# KiCad board poly_kb_wave_left.kicad_pcb (continued)
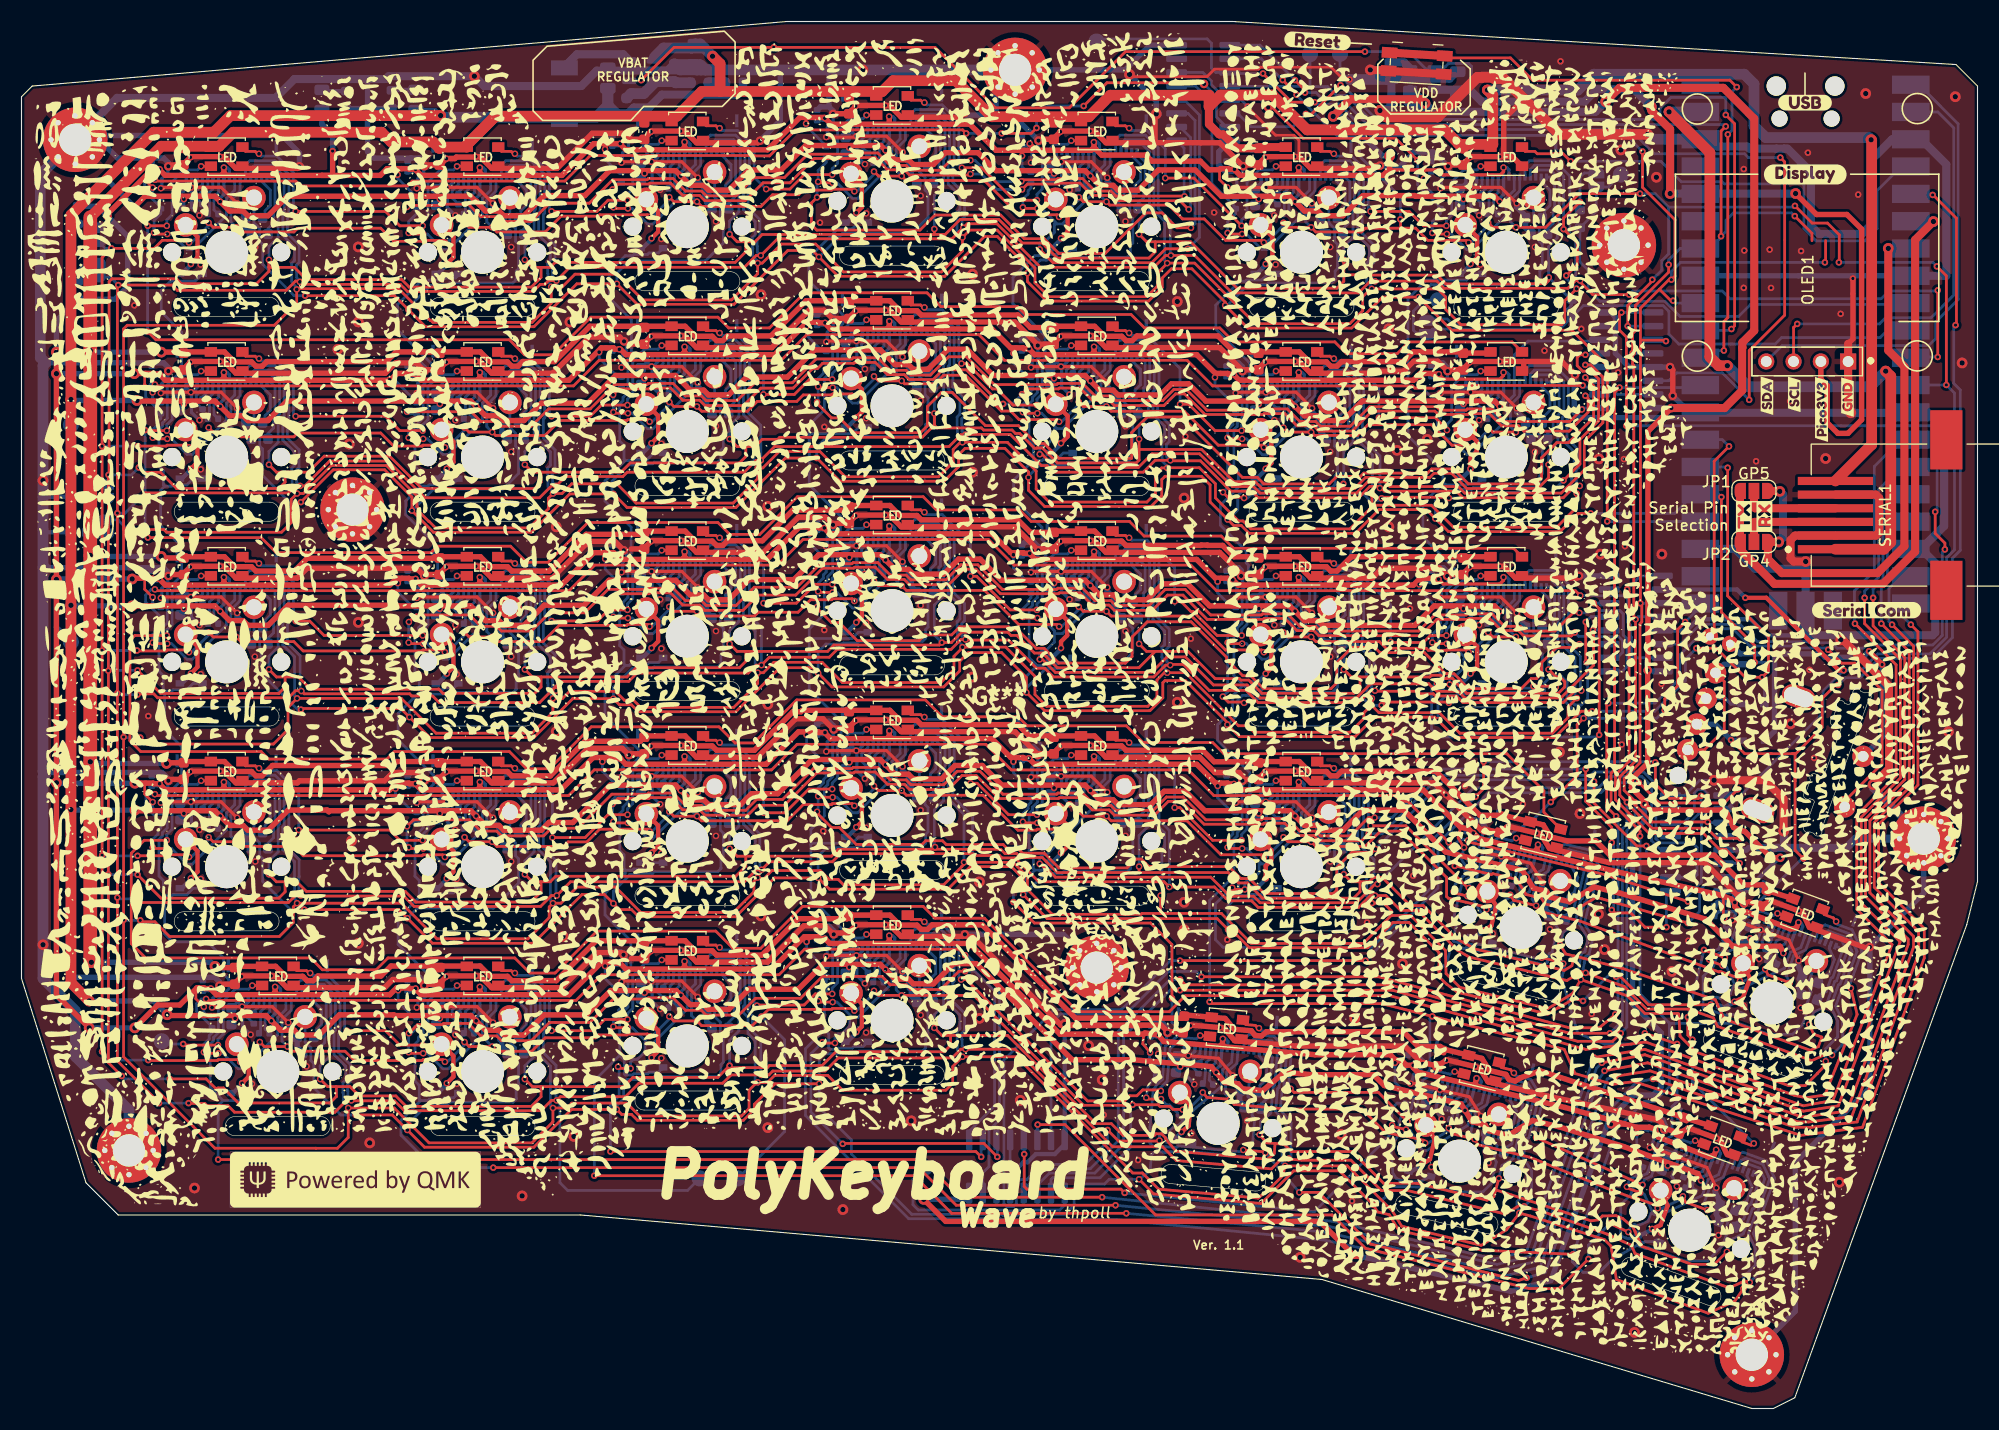
[diagram p0: board, top side]
## Routing (per net, layer and track width the routed paths; a pad name or vN(x,y) marks a point on that pad's centre or on a via; arc(x,y) is an arc through that point) (continued)
RUN: length 60.1
  Top w0.254: v4(158.77,118.5) 158.77,101.47 158.4,101.1 v4(158.4,98.4) ; 132.49,125.62 138.54,125.62 140.61,123.55 158.95,123.55 v4(159.6,122.9)
  Top w0.75: 132.48,125.79 127.24,126.11
  Bottom w0.254: U1.30 157.78,98.4 v4(158.4,98.4) ; v4(158.77,118.5) 159.16,118.89 159.16,122.46 v4(159.6,122.9)
SCLK: length 1505.4
  Top w0.25: v3(144.7,85.1) 144.7,83.81 144.65,83.76 ; 94.3,66.4 94.3,68.1 91.59,70.81 v3(87.55,70.81) 87.55,70.76 86.76,69.97 86.76,68.74 ; 9.5,83.25 9.5,81.75 v4(9.88,81.75) 13.25,81.75 ; 86.69,88.01 86.69,89.19 87.36,89.86 v3(87.55,89.86) 91.74,89.86 94.41,87.19 94.41,85.52 ; 57.1,84.3 55.4,86 51.2,86 50.3,85.1 v3(49.45,85.1) ; v3(125.65,85.1) 125.65,83.81 125.6,83.76 ; 93.9,31.4 92.59,32.71 v3(87.55,32.71) 86.65,31.81 86.65,30.25 ; 47.7,24.9 47.5,24.71 37.92,24.71 34.67,27.95 v3(30.4,27.95) 30.4,27 ; 76.25,87.05 74.3,89 70.5,89 68.98,87.48 v3(68.5,87.48) 68.5,86.49 67.75,85.75 ; 132.52,102.22 132.52,103.38 131.77,104.13 v3(125.64,104.13) 125.53,104.13 124.8,103.4 124.8,102.31 ; 144.34,38.61 v3(145.09,39.9) 149.41,38.38 151.05,36.74 154.08,36.74 154.2,36.7 154.32,34.63 ; v3(139.38,18.18) 138.18,16.62 ; 110.64,105.05 109.16,106.53 v3(106.6,106.53) 106.6,106.51 105.7,105.6 105.7,104.4 ; 49.4,26.61 49.45,26.66 v3(49.45,27.95) 50.75,27.95 51.2,28.4 53.2,28.4 ; 112.92,63.82 108.31,68.43 v3(106.6,68.43) 106.33,68.43 105.65,67.75 105.65,66.15 ; 105.5,85.1 105.5,85.1 105.5,86.9 106.08,87.48 v3(106.6,87.48) 106.62,87.5 109.6,87.5 111.09,86.01 111.09,84.7 112.42,83.37 ; v3(68.5,30.33) 68.43,30.33 67.7,29.6 67.7,27.9 ; v3(117.57,22.57) 123.36,22.57 127.54,18.4 ; 126.31,64.71 125.65,65.37 v3(125.65,66.05) ; 67.73,104.77 68.5,105.54 v3(68.5,106.53) 68.93,106.53 70.7,108.3 73.9,108.3 75.7,106.5 ; v3(25.64,47) 35.34,47 38.12,44.22 ; 56.31,104.61 55.42,105.5 51.5,105.5 50.31,104.32 v3(49.29,104.32) 49.29,102.79 48.7,102.2 ; 67.93,66.87 68.5,67.44 v3(68.5,68.43) 69.03,68.43 70,69.4 74.5,69.4 ; 50.4,66.1 50.35,66.05 v3(49.45,66.05) 49.45,64.76 49.4,64.71 ; 95.9,45.96 93.6,48.27 93.6,49.47 92.27,50.8 v3(87.7,50.8) 87.7,50.62 87.5,50.42 ; v3(144.7,104.15) 143.6,103.05 143.6,101.1 143.3,100.81 143.3,100.8 ; 38.1,101.2 38.03,101.2 35.08,104.15 25.67,104.15 v3(25.61,104.09) 25.61,102.83 23.53,100.75 9.83,100.75 9.5,100.42 v4(9.5,62.45) v4(9.5,45.45) 9.5,32.71 15.99,26.22 ; v3(167.88,32.29) 167.69,31.76 ; 129.45,45.65 132.5,42.6
  Top w0.254: 167.69,31.76 167.09,31.17 167.09,31.16 165.97,30.03 164.67,30.03 164.42,30.03 155.8,33.16 155.79,33.16 154.32,34.63 ; 127.45,45.85 127.45,46.3 126.75,47 v4(125.65,47) ; 127.45,45.85 124.85,43.26 114.43,43.26 111.64,46.05 106.54,46.05 ; 127.45,45.85 129.25,45.85 129.45,45.65 ; 132.5,42.6 132.55,40.45 133.82,39.18 142.01,37.19 144.34,38.61 ; 138.18,16.62 135.82,15.18 128.42,16.96 127.54,18.4 ; 112.92,63.82 113.24,63.5 114.09,63.5 114.69,62.9 123.62,62.9 124.9,64.18 124.9,64.7 125.65,65.46 v3(125.65,66.05) ; v3(106,47.7) 106,46.05 106.54,46.05 ; 30.4,27 30.4,25.21 29.4,24.2 27.4,24.2 27.4,24.21 18,24.21 15.99,26.22 ; 56.31,104.61 57.81,103.11 66.07,103.11 67.73,104.77 ; v3(49.45,85.1) 49.02,84.67 49.02,83.68 47.25,81.91 38.53,81.91 37.92,82.52 37.88,82.52 36.92,83.48 36.92,83.75 36.79,83.87 36.79,84.88 33.97,87.71 28.83,87.71 26.22,85.1 v3(25.64,85.1) 25.1,84.56 25.1,82.4 24.2,81.5 13.5,81.5 13.25,81.75 ; 105.7,104.4 104.7,103.41 95.59,103.41 94.3,104.7 94.3,106.08 90.78,109.6 88.24,109.6 v3(87.55,108.91) 87.55,107.66 85.6,105.71 76.49,105.71 75.7,106.5 ; 106.54,46.05 104.25,46.05 104.17,45.96 95.9,45.96 ; 105.5,85.1 104.72,84.31 95.62,84.31 94.41,85.52 ; 126.31,64.71 131.93,64.71 133.83,62.81 142.45,62.81 143.9,64.26 143.9,65.25 v3(144.73,66.08) ; v4(145.01,112.23) 143.48,110.7 v4(143.48,109.69) 144.75,108.42 144.75,106.39 v4(143.74,105.37) ; 86.69,88.01 85.34,86.66 76.64,86.66 76.25,87.05 ; 132.52,102.22 133.94,100.8 143.3,100.8 ; 38.12,44.22 38.66,43.68 47.12,43.68 49.1,45.66 49.1,46.65 v3(49.45,47) 50.2,47 51.7,48.5 55.27,48.5 57.63,46.14 66.25,46.14 68.15,48.04 68.15,49.03 v3(68.5,49.38) 68.58,49.3 69.1,49.3 69.83,50.03 74.32,50.03 75.14,49.21 75.99,49.21 76.49,48.71 85.8,48.71 87.5,50.41 87.5,50.42 ; 74.5,69.4 76.38,67.52 85.55,67.52 86.76,68.74 ; 93.9,31.4 103.4,21.9 104.3,21.9 105.8,20.4 115.06,19.57 115.1,19.6 116.21,20.51 117.36,21.66 v3(117.57,22.57) ; v3(68.5,30.33) 68.53,30.3 69.4,30.3 70.08,30.98 75.02,30.98 76.4,29.6 86,29.6 86.65,30.25 ; 48.7,102.2 47.52,101.02 38.28,101.02 38.1,101.2 ; 49.4,26.61 49.4,26.61 47.7,24.9 ; 67.75,85.75 66.22,84.21 57.19,84.21 57.1,84.3 ; v4(11.05,62.4) 11.65,61.8 23.45,61.8 24.8,63.15 24.8,65.21 v3(25.64,66.05) 35.34,66.05 38.58,62.81 47.5,62.81 49.4,64.71 49.4,64.71 ; 50.4,66.1 51,66.7 55.27,66.7 56.09,65.88 56.94,65.88 57.61,65.21 66.27,65.21 67.93,66.87 ; 105.65,66.15 104.8,65.31 95.39,65.31 94.3,66.4 ; v4(11.05,45.4) 11.18,45.27 12.4,45.27 13.77,43.9 24,43.9 25.29,45.19 25.29,46.65 v3(25.64,47) ; 67.7,27.9 67,27.21 57.51,27.21 56.32,28.4 53.2,28.4 ; v3(139.38,18.18) 140.4,17.9 147.3,15.7 147.9,15.1 148.4,12 156.95,8.86 159.44,10.02 v3(160.22,11.15) ; 144.65,83.76 142.85,81.96 133.24,81.96 131.19,84.01 125.85,84.01 125.6,83.76 125.56,83.76 123.6,81.81 114.39,81.81 113.65,82.55 113.24,82.55 112.42,83.37 ; 124.8,102.31 124.8,102.1 123.59,100.9 114.79,100.9 110.64,105.05
  Bottom w0.25: 87.12,55.83 87.7,55.26 v3(87.7,50.8) ; v3(167.88,32.29) 167.88,33.47 168.28,33.87 ; 117.3,23.85 117.3,22.85 v3(117.57,22.57)
  Bottom w0.254: v3(139.38,18.18) 139.41,18.34 139.39,18.39 139.16,18.62 139.16,19.24 140.05,20.14 140.05,22 139.25,23.31 139.74,25.37 139.9,25.47 140.65,28.6 140.55,28.75 139.88,29.85 138.23,30.25 137.79,29.98 CONN34.13 ; CONN5.13 102.3,117.63 102.67,118 104.43,118 105.36,117.07 105.36,116.3 105.36,111.41 106.37,110.41 106.37,106.77 v3(106.6,106.53) ; v3(49.45,27.95) 49.22,28.18 49.22,31.82 48.13,32.91 48.13,35.03 48.26,35.16 48.26,38.38 48.13,38.51 48.13,38.51 47.22,39.42 45.52,39.42 45.15,39.05 CONN30.13 ; v3(68.5,30.33) 68.27,30.57 68.27,34.21 67.6,34.87 67.6,36.37 67.18,36.8 67.18,37.41 67.31,37.54 67.31,40.76 67.18,40.89 66.27,41.8 64.57,41.8 64.2,41.43 CONN31.13 ; CONN18.13 83.25,81.92 83.62,82.28 85.32,82.28 86.23,81.37 86.36,81.24 86.36,78.02 86.23,77.89 86.23,75.78 87.32,74.69 87.32,73.44 87.06,73.18 87.06,72.25 87.09,72.21 87.09,71.44 87.55,70.98 v3(87.55,70.81) ; v3(125.65,85.1) 125.7,85.15 125.7,88.69 124.33,90.06 124.33,92.18 124.46,92.31 124.46,95.53 124.33,95.66 124.33,95.66 123.42,96.57 121.72,96.57 121.35,96.2 CONN13.13 ; v3(106.6,87.48) 106.6,87.65 106.14,88.11 106.14,88.88 106.11,88.92 106.11,89.85 106.37,90.11 106.37,91.36 105.28,92.45 105.28,94.56 105.41,94.69 105.41,97.91 105.28,98.04 104.37,98.95 102.67,98.95 102.3,98.58 CONN12.13 ; CONN29.13 26.1,39.05 26.47,39.42 28.17,39.42 29.08,38.51 29.08,38.51 29.21,38.38 29.21,35.16 29.08,35.03 29.08,32.91 30.17,31.82 30.17,30.57 29.91,30.31 29.91,29.38 29.94,29.35 29.94,28.58 30.4,28.12 v3(30.4,27.95) ; CONN2.13 45.15,115.25 45.52,115.62 47.22,115.62 48.13,114.71 48.13,114.71 48.26,114.58 48.26,111.36 48.13,111.23 48.13,109.11 49.22,108.02 49.22,106.77 48.96,106.51 48.96,105.58 48.99,105.55 48.99,104.78 49.45,104.32 ; 168.28,33.87 168.98,34.58 168.98,36.01 168.33,37.41 169.06,39.4 169.22,39.48 170.32,42.5 170.25,42.67 170.25,42.67 169.7,43.84 168.11,44.42 167.64,44.2 CONN36.13 ; v3(106.6,68.43) 106.6,68.6 106.14,69.06 106.14,69.83 106.11,69.87 106.11,70.8 106.37,71.06 106.37,72.31 105.28,73.4 105.28,75.51 105.41,75.64 105.41,78.86 105.28,78.99 104.37,79.9 102.67,79.9 102.3,79.53 CONN19.13 ; CONN21.13 140.4,77.15 140.77,77.52 142.47,77.52 143.38,76.61 143.38,76.61 143.51,76.48 143.51,73.26 143.38,73.13 143.38,71.01 144.55,69.84 144.55,66.25 v3(144.73,66.08) ; CONN4.13 83.25,120.02 83.62,120.38 85.32,120.38 86.23,119.47 86.36,119.34 86.36,116.12 86.23,115.99 86.23,113.88 87.32,112.79 87.32,111.54 87.05,111.27 87.05,109.58 87.55,109.08 v3(87.55,108.91) ; CONN6.13 121.35,115.25 121.72,115.62 123.42,115.62 124.33,114.71 124.33,114.71 124.46,114.58 124.46,111.36 124.33,111.23 124.33,109.11 125.42,108.02 125.42,106.77 125.16,106.51 125.16,104.81 125.35,104.62 125.35,104.59 125.65,104.3 125.65,104.15 ; v3(160.22,11.15) 160.22,12.23 161.33,13.33 161.33,14.87 160.67,16.27 161.4,18.26 161.56,18.34 162.67,21.36 162.59,21.53 162.59,21.53 162.04,22.7 160.45,23.28 159.98,23.06 CONN35.13 ; v3(25.64,66.05) 25.4,66.28 25.4,69.92 24.31,71.01 24.31,73.13 24.44,73.26 24.44,76.48 24.31,76.61 24.31,76.61 23.4,77.52 21.71,77.52 21.34,77.15 CONN15.13 ; v3(68.5,106.53) 68.5,106.7 68.04,107.16 68.04,107.93 68.01,107.97 68.01,108.9 68.27,109.16 68.27,110.41 67.18,111.5 67.18,113.61 67.31,113.74 67.31,116.96 67.18,117.09 66.27,118 64.57,118 64.2,117.63 CONN3.13 ; CONN25.13 83.25,62.87 83.62,63.23 85.32,63.23 86.23,62.32 86.36,62.19 86.36,58.97 86.23,58.84 86.23,56.73 87.12,55.83 ; v4(143.74,105.37) 143.74,105.11 v3(144.7,104.15) ; CONN10.13 64.2,98.58 64.57,98.95 66.27,98.95 67.18,98.04 67.31,97.91 67.31,94.69 67.18,94.56 67.18,92.45 68.27,91.36 68.27,90.37 68.17,90.28 68.17,87.98 68.5,87.65 v3(68.5,87.48) ; CONN24.13 64.2,60.48 64.57,60.85 66.27,60.85 67.18,59.94 67.31,59.81 67.31,56.59 67.18,56.46 67.18,54.35 68.27,53.26 68.27,52.77 68.27,52.77 68.27,49.78 68.5,49.55 v3(68.5,49.38) ; CONN20.13 121.35,77.15 121.72,77.52 123.42,77.52 124.33,76.61 124.33,76.61 124.46,76.48 124.46,73.26 124.33,73.13 124.33,71.01 125.42,69.92 125.42,68.67 125.16,68.41 125.16,67.48 125.19,67.45 125.19,66.68 125.65,66.22 v3(125.65,66.05) ; v3(68.5,68.43) 68.27,68.67 68.27,72.31 67.18,73.4 67.18,75.51 67.31,75.64 67.31,78.86 67.18,78.99 66.27,79.9 64.57,79.9 64.2,79.53 CONN17.13 ; v3(144.7,85.1) 144.7,85.27 144.24,85.73 144.24,86.5 144.21,86.53 144.21,87.46 144.47,87.72 144.47,88.97 143.38,90.06 143.38,92.18 143.51,92.31 143.51,95.53 143.38,95.66 143.38,95.66 142.47,96.57 140.77,96.57 140.4,96.2 CONN14.13 ; v4(11.05,45.4) 9.55,45.4 v4(9.5,45.45) ; CONN1.13 21.34,115.25 21.71,115.62 23.4,115.62 24.31,114.71 24.31,114.71 24.44,114.58 24.44,111.36 24.31,111.23 24.31,109.11 25.4,108.02 25.4,106.77 25.14,106.51 25.14,104.82 25.32,104.64 25.32,104.55 25.64,104.23 25.64,104.15 ; 117.3,23.85 117.68,24.23 117.68,26.45 116.69,27.63 116.87,29.74 117.01,29.85 117.29,33.06 117.18,33.2 116.35,34.19 114.66,34.34 114.26,34 CONN33.13 ; CONN16.13 45.15,77.15 45.52,77.52 47.22,77.52 48.13,76.61 48.13,76.61 48.26,76.48 48.26,73.26 48.13,73.13 48.13,71.01 49.22,69.92 49.22,68.67 48.96,68.41 48.96,67.48 48.99,67.45 48.99,66.68 49.45,66.22 v3(49.45,66.05) ; v4(9.88,81.75) 8.98,82.65 JP6.2 ; CONN26.13 102.3,60.48 102.67,60.85 104.37,60.85 105.28,59.94 105.41,59.81 105.41,56.59 105.28,56.46 105.28,54.62 106.37,53.53 106.37,52.01 106.11,51.75 106.11,47.81 v3(106,47.7) ; R2.2 v4(145.01,112.23) 145.01,114.51 145.4,114.91 JP7.1 ; CONN23.13 45.15,58.1 45.52,58.47 47.22,58.47 48.13,57.56 48.13,57.56 48.26,57.43 48.26,54.21 48.13,54.08 48.13,51.96 49.22,50.87 49.22,47.23 v3(49.45,47) ; v3(49.45,85.1) 49.45,85.27 48.99,85.73 48.99,86.5 48.96,86.53 48.96,87.46 49.22,87.72 49.22,88.97 48.13,90.06 48.13,92.18 48.26,92.31 48.26,95.53 48.13,95.66 48.13,95.66 47.22,96.57 45.52,96.57 45.15,96.2 CONN9.13 ; CONN27.13 121.35,58.1 121.72,58.47 123.42,58.47 124.33,57.56 124.33,57.56 124.46,57.43 124.46,54.21 124.33,54.08 124.33,51.96 125.42,50.87 125.42,49.62 125.16,49.36 125.16,47.66 125.65,47.17 v4(125.65,47) ; CONN28.13 143.5,51.7 143.94,51.97 145.6,51.57 146.27,50.47 146.27,50.47 146.36,50.32 145.61,47.18 145.46,47.09 144.96,45.03 145.77,43.72 145.48,42.5 145.16,42.31 144.95,41.4 144.97,41.37 144.79,40.62 145.13,40.06 v3(145.09,39.9) ; v4(9.5,62.45) 9.55,62.4 v4(11.05,62.4) ; CONN8.13 21.34,96.2 21.71,96.57 23.4,96.57 24.31,95.66 24.31,95.66 24.44,95.53 24.44,92.31 24.31,92.18 24.31,90.06 25.4,88.97 25.4,87.72 25.14,87.46 25.14,86.53 25.18,86.5 25.18,85.73 25.64,85.27 v3(25.64,85.1) ; CONN32.13 83.25,43.82 83.62,44.18 85.32,44.18 86.23,43.27 86.36,43.14 86.36,39.92 86.23,39.79 86.23,37.68 87.32,36.59 87.32,35.34 87.06,35.08 87.06,34.15 87.09,34.11 87.09,33.34 87.55,32.88 v3(87.55,32.71) ; 143.51,114.58 143.38,114.71 143.38,114.71 142.47,115.62 140.77,115.62 140.4,115.25 CONN7.13 ; v4(143.48,109.69) 143.48,114.6 ; CONN22.13 21.34,58.1 21.71,58.47 23.4,58.47 24.31,57.56 24.31,57.56 24.44,57.43 24.44,54.21 24.31,54.08 24.31,51.96 25.4,50.87 25.4,47.4 25.64,47.17 v3(25.64,47) ; CONN11.13 83.25,100.97 83.62,101.33 85.32,101.33 86.23,100.42 86.36,100.29 86.36,97.07 86.23,96.94 86.23,94.83 87.32,93.74 87.32,92.49 87.06,92.23 87.06,91.3 87.09,91.26 87.09,90.49 87.55,90.03 v3(87.55,89.86)
SDIN: length 1337.1
  Top w0.25: 8.15,104.81 8.15,86.88 v4(8.1,86.83) 8.08,86.81 v4(8.08,68.62) v4(8.08,49.69) 8.08,32.17 v4(9.32,30.93)
  Top w0.254: v3(65.89,109.22) 66.59,108.52 67.39,108.52 ; 124.54,68.04 131.03,68.04 131.2,68.2 132.03,68.2 132.35,67.88 132.57,67.88 132.6,67.91 132.6,67.91 132.61,67.92 132.62,67.93 132.62,67.93 132.63,67.93 133.12,67.93 133.46,67.6 133.46,67.53 134.47,66.52 143,66.52 143.59,67.11 143.59,67.6 143.15,68.04 142.79,68.04 v3(142.09,68.74) ; 124.54,68.04 123.74,68.04 v3(123.04,68.74) ; 124.54,68.04 124.54,67.11 123.95,66.52 115.42,66.52 114.38,67.56 114.38,67.57 114.2,67.75 113.47,67.75 113.33,67.88 111.07,67.88 108.53,70.42 105.49,70.42 ; 86.44,34.7 85.64,34.7 v3(84.94,35.4) ; 86.44,34.7 86.44,33.77 85.85,33.18 75.77,33.18 74.5,31.9 69.6,31.9 69.4,31.7 66.08,31.7 v4(65.89,31.89) 64.79,30.8 56.89,30.8 56.03,29.94 48.34,29.94 ; 86.44,34.7 91.75,34.7 99.97,26.49 101.41,26.49 102.5,25.4 105.4,25.4 105.55,25.55 106.08,25.55 106.46,25.17 106.46,25.14 106.47,25.13 106.47,25.06 107.43,23.92 115.92,23.18 116.56,23.72 116.64,24.64 ; 48.34,68.04 48.34,67.11 47.75,66.52 39.22,66.52 38.82,66.92 38.8,66.9 26.9,66.9 25.76,68.04 24.53,68.04 ; 48.34,68.04 47.54,68.04 v3(46.84,68.74) ; 48.34,68.04 56.33,68.04 57.2,68.9 58.27,68.9 58.27,68.9 66.8,68.9 67.39,69.49 67.39,70.42 ; 116.64,24.64 117.49,24.57 118.17,23.9 123.79,23.9 126.74,20.95 129.84,20.95 136.37,19.38 137,19.7 137.17,20.33 ; 116.64,24.64 115.84,24.71 v3(115.21,25.47) ; v3(85,52.22) 84.99,52.21 84.99,52.01 ; 105.49,70.42 103.97,68.9 96.37,68.9 95.33,69.95 95.33,69.95 95.02,70.26 94.25,70.26 92.6,71.91 92.07,71.91 91.77,72.21 87.49,72.21 86.52,71.24 v4(85.64,71.24) 85.4,71.01 75.59,71.01 75,70.42 67.39,70.42 ; 105.49,70.42 104.69,70.42 v3(103.99,71.12) ; 67.39,108.52 67.39,107.59 66.41,106.6 49.66,106.6 49.2,106.14 48.34,106.14 ; 67.39,108.52 68.25,108.52 68.92,109.19 70.17,109.19 70.17,109.2 84.89,109.2 ; 67.39,89.47 68.25,89.47 68.92,90.14 70.36,90.14 70.55,90.33 83.05,90.33 83.07,90.35 83.82,90.35 84.94,91.47 v3(84.94,92.55) 84.94,91.46 85.2,91.2 89.32,91.2 89.52,91.01 92.17,91.01 92.48,90.69 92.87,90.69 94.25,89.31 94.47,89.31 94.5,89.35 94.98,89.35 96.38,87.95 103.72,87.95 103.99,88.21 v3(103.99,90.17) ; 67.39,89.47 66.59,89.47 v3(65.89,90.17) ; 67.39,89.47 67.39,88.54 66.8,87.95 56.64,87.95 55.78,87.09 48.34,87.09 ; v3(158.68,14.57) 157.52,13.41 155.4,13.41 150.77,15.09 150.14,16.43 150.15,16.44 149.94,16.88 148.97,17.68 148.36,17.94 147.1,17.9 146.75,17.55 146.05,17.45 138.64,19.86 137.17,20.33 ; 144.48,42.09 145.31,41.89 149.01,40.92 156.9,38.24 157.1,38.17 157.15,38.18 157.6,38.02 157.81,37.58 157.8,37.57 158.43,36.23 166.44,33.31 167.2,33.67 167.52,34.54 166.76,34.82 v3(166.34,35.71) ; 144.48,42.09 144.26,41.18 143.55,40.75 135.26,42.74 133.5,43.7 130.42,46.78 129.22,46.78 126.6,49.4 126.25,49.4 125.8,49.4 125.4,48.99 124.54,48.99 ; 144.48,42.09 143.69,42.27 v3(143.18,43.12) ; 67.39,51.37 66.59,51.37 v3(65.89,52.07) ; 67.39,51.37 75.36,51.37 76,52.01 84.99,52.01 ; 67.39,51.37 67.39,50.44 66.46,49.5 49.71,49.5 49.2,48.99 48.34,48.99 ; 84.89,109.2 85.95,109.2 87.35,110.6 90.93,110.6 93.13,108.4 94.98,108.4 95.33,108.05 95.33,108.05 96.37,107 104.9,107 105.49,107.59 105.49,108.52 ; 84.89,109.2 84.94,109.24 v3(84.94,109.7) ; 29.29,29.94 29.29,29.01 28.7,28.42 20.17,28.42 19.13,29.46 19.13,29.47 18.78,29.81 18.3,29.81 18.27,29.78 18.05,29.78 17.17,30.66 13.8,30.66 v4(13.8,30.65) ; 29.29,29.94 28.49,29.94 v3(27.79,30.64) ; 29.29,29.94 30.56,29.94 31.43,29.07 34.83,29.07 35.8,28.1 47.44,28.1 48.34,29.01 48.34,29.94 ; 123.03,85.57 123,85.6 v4(123,86) ; 123.03,85.57 124.04,85.57 125.07,86.6 131,86.6 131.01,86.6 131.04,86.6 131.42,86.98 133.07,86.98 133.49,86.56 133.49,86.55 134.47,85.57 141.08,85.57 142.09,86.57 v3(142.09,87.79) ; 123.03,85.57 115.42,85.57 114.79,86.2 112.8,86.2 109.8,89.2 104.06,89.2 ; 67.39,70.42 66.59,70.42 v3(65.89,71.12) ; 48.34,106.14 48.34,105.21 47.44,104.3 36.07,104.3 35.37,105 26.52,105 25.38,106.14 23,106.14 23.02,106.16 v3(23.02,106.84) 23.02,105.77 21.87,104.62 14.87,104.62 14.41,105.08 8.42,105.08 8.15,104.81 ; 48.34,106.14 47.54,106.14 v3(46.84,106.84) ; 103.94,49.85 112.28,49.85 113.25,48.88 114.09,48.88 114.18,48.79 114.18,48.75 115.46,47.47 123.95,47.47 124.54,48.06 124.54,48.99 ; 103.94,49.85 103.99,49.89 v3(103.99,50.4) ; 103.94,49.85 96.37,49.85 95.33,50.9 95.33,50.9 94.98,51.25 92.97,51.25 92.6,51.61 91.51,51.61 91.12,52.01 84.99,52.01 ; 24.53,87.09 26.68,87.09 28.17,88.58 34.25,88.58 37.26,85.57 47.75,85.57 48.34,86.16 48.34,87.09 ; 24.53,87.09 23.72,87.09 v3(23.02,87.79) ; 24.53,87.09 24.53,86.16 23.94,85.57 14.43,85.57 12.92,87.08 11.36,87.08 v4(10.92,87.52) ; 48.34,87.09 47.54,87.09 v3(46.84,87.79) ; 24.53,48.99 25.61,48.99 26.5,48.1 35.7,48.1 36.7,47.1 47.39,47.1 48.34,48.06 48.34,48.99 ; 24.53,48.99 23.72,48.99 v3(23.02,49.69) ; 24.53,48.99 24.53,48.06 23.94,47.47 12.98,47.47 v4(10.8,49.65) ; 48.34,29.94 47.54,29.94 v3(46.84,30.64) ; 137.17,20.33 v3(137.46,21.4) ; v3(123.04,49.69) 123.74,48.99 124.54,48.99 ; 48.34,48.99 47.54,48.99 v3(46.84,49.69) ; v3(103.99,109.22) 104.69,108.52 105.49,108.52 ; v3(123.04,106.84) 123.04,105.44 ; 123.04,105.44 125.24,105.44 125.26,105.42 131.71,105.42 132.54,104.59 139.72,104.59 139.75,104.62 141.82,104.62 142.1,104.89 142.1,105.19 v3(142.11,105.2) ; 123.04,105.44 123.04,104.84 122.4,104.2 113.1,104.2 108.78,108.52 105.49,108.52 ; 24.53,68.04 23.72,68.04 v3(23.02,68.74) ; 24.53,68.04 24.53,67.11 23.94,66.52 23.93,66.51 12.94,66.51 v4(10.8,68.65)
  Bottom w0.25: JP5.2 8.1,86.21 v4(8.1,86.83) 10.22,86.83 v4(10.92,87.52)
  Bottom w0.254: v3(123.04,49.69) 123.04,50.91 123.9,51.77 123.9,54.26 124.03,54.39 124.03,57.25 123.24,58.04 122.03,58.04 121.85,57.86 CONN27.14 ; CONN23.14 45.65,57.86 45.83,58.04 47.04,58.04 47.83,57.25 47.83,54.39 47.7,54.26 47.7,51.77 46.84,50.91 v3(46.84,49.69) ; CONN12.14 102.8,98.34 102.98,98.52 104.19,98.52 104.98,97.73 104.98,94.87 104.85,94.74 104.85,92.25 103.99,91.39 v3(103.99,90.17) ; CONN21.14 140.9,76.91 141.08,77.09 142.29,77.09 143.08,76.3 143.08,73.44 142.95,73.31 142.95,70.82 142.09,69.96 v3(142.09,68.74) ; v3(23.02,87.79) 23.02,89.01 23.88,89.87 23.88,92.36 24.01,92.49 24.01,95.35 23.23,96.14 22.02,96.14 21.84,95.96 CONN8.14 ; v3(142.09,87.79) 142.09,89.01 142.95,89.87 142.95,92.36 143.08,92.49 143.08,95.35 142.29,96.14 141.08,96.14 140.9,95.96 CONN14.14 ; v3(65.89,90.17) 65.89,91.39 66.75,92.25 66.75,94.74 66.88,94.87 66.88,97.73 66.09,98.52 64.88,98.52 64.7,98.34 CONN10.14 ; v3(23.02,106.84) 23.02,108.06 23.88,108.92 23.88,111.41 24.01,111.54 24.01,114.4 23.23,115.19 22.02,115.19 21.84,115.01 CONN1.14 ; CONN28.14 143.93,51.34 144.15,51.48 145.32,51.19 145.9,50.24 145.23,47.46 145.08,47.36 144.5,44.95 143.46,44.31 v3(143.18,43.12) ; v3(65.89,109.22) 65.89,110.44 66.75,111.3 66.75,113.79 66.88,113.92 66.88,116.78 66.09,117.57 64.88,117.57 64.7,117.39 CONN3.14 ; v4(10.8,68.65) 8.12,68.65 v4(8.08,68.62) ; CONN33.14 114.73,33.71 114.93,33.88 116.13,33.78 116.85,32.92 116.6,30.07 116.46,29.95 116.24,27.48 115.31,26.69 v3(115.21,25.47) ; CONN25.14 83.75,62.72 83.83,62.8 85.14,62.8 85.93,62.02 85.93,59.15 85.8,59.02 85.8,56.54 84.94,55.68 84.94,52.28 v3(85,52.22) ; v3(137.46,21.4) 137.75,22.59 138.78,23.23 139.36,25.64 139.52,25.74 140.19,28.53 139.61,29.48 138.44,29.76 138.21,29.62 CONN34.14 ; v4(123,86) 123.04,86.04 123.04,89.01 123.9,89.87 123.9,92.36 124.03,92.49 124.03,95.35 123.24,96.14 122.03,96.14 121.85,95.96 CONN13.14 ; CONN35.14 160.36,22.66 160.6,22.77 161.73,22.35 162.2,21.34 161.22,18.65 161.05,18.57 160.21,16.24 159.1,15.72 v3(158.68,14.57) ; v3(103.99,50.4) 103.99,53.29 104.85,54.15 104.85,56.64 104.98,56.77 104.98,59.63 104.19,60.42 102.98,60.42 102.8,60.24 CONN26.14 ; CONN22.14 21.84,57.86 22.02,58.04 23.23,58.04 24.01,57.25 24.01,54.39 23.88,54.26 23.88,51.77 23.02,50.91 v3(23.02,49.69) ; CONN11.14 83.75,100.72 83.93,100.9 85.14,100.9 85.93,100.12 85.93,97.25 85.8,97.12 85.8,94.64 84.94,93.78 v3(84.94,92.55) ; v3(123.04,68.74) 123.04,69.96 123.9,70.82 123.9,73.31 124.03,73.44 124.03,76.3 123.24,77.09 122.03,77.09 121.85,76.91 CONN20.14 ; CONN5.14 102.8,117.49 102.88,117.57 104.28,117.57 104.95,116.9 104.95,111.41 103.99,110.44 v3(103.99,109.22) ; v3(46.84,87.79) 46.84,89.01 47.7,89.87 47.7,92.36 47.83,92.49 47.83,95.35 47.04,96.14 45.83,96.14 45.65,95.96 CONN9.14 ; CONN19.14 102.8,79.29 102.98,79.47 104.19,79.47 104.98,78.68 104.98,75.82 104.85,75.69 104.85,73.2 103.99,72.34 v3(103.99,71.12) ; v4(85.64,71.24) 84.94,71.94 84.94,74.73 85.8,75.59 85.8,78.07 85.93,78.2 85.93,81.07 85.14,81.85 83.93,81.85 83.75,81.67 CONN18.14 ; v3(65.89,71.12) 65.89,72.34 66.75,73.2 66.75,75.69 66.88,75.82 66.88,78.68 66.09,79.47 64.88,79.47 64.7,79.29 CONN17.14 ; v3(123.04,106.84) 123.04,108.06 123.9,108.92 123.9,111.41 124.03,111.54 124.03,114.4 123.24,115.19 122.03,115.19 121.85,115.01 CONN6.14 ; v3(84.94,35.4) 84.94,36.63 85.8,37.49 85.8,39.97 85.93,40.1 85.93,42.97 85.14,43.75 83.93,43.75 83.75,43.57 CONN32.14 ; v4(9.32,30.93) 9.6,30.65 v4(13.8,30.65) ; v3(23.02,68.74) 23.02,69.96 23.88,70.82 23.88,73.31 24.01,73.44 24.01,76.3 23.23,77.09 22.02,77.09 21.84,76.91 CONN15.14 ; v4(65.89,31.89) 65.89,34.24 66.75,35.1 66.75,37.59 66.88,37.72 66.88,40.58 66.09,41.37 64.88,41.37 64.7,41.19 CONN31.14 ; v3(84.94,109.7) 84.94,112.83 85.8,113.69 85.8,116.17 85.93,116.3 85.93,119.17 85.14,119.95 83.93,119.95 83.75,119.77 CONN4.14 ; v3(46.84,106.84) 46.84,108.06 47.7,108.92 47.7,111.41 47.83,111.54 47.83,114.4 47.04,115.19 45.83,115.19 45.65,115.01 CONN2.14 ; v3(46.84,30.64) 46.84,31.86 47.7,32.72 47.7,35.21 47.83,35.34 47.83,38.2 47.04,38.99 45.83,38.99 45.65,38.81 CONN30.14 ; CONN36.14 168.02,43.8 168.26,43.91 169.39,43.49 169.86,42.48 168.88,39.79 168.71,39.71 167.86,37.38 166.76,36.86 v3(166.34,35.71) ; v3(27.79,30.64) 27.79,31.86 28.65,32.72 28.65,35.21 28.78,35.34 28.78,38.2 27.99,38.99 26.78,38.99 26.6,38.81 CONN29.14 ; CONN16.14 45.65,76.91 45.83,77.09 47.04,77.09 47.83,76.3 47.83,73.44 47.7,73.31 47.7,70.82 46.84,69.96 v3(46.84,68.74) ; v3(65.89,52.07) 65.89,53.29 66.75,54.15 66.75,56.64 66.88,56.77 66.88,59.63 66.09,60.42 64.88,60.42 64.7,60.24 CONN24.14 ; JP8.1 130.93,101.34 132.65,101.34 133.19,100.8 142.39,100.8 144.25,102.65 R3.2 144.16,103.15 v3(142.11,105.2) 142.09,105.22 142.09,108.06 142.9,108.88 142.9,109.93 143.08,110.11 143.08,114.4 142.29,115.19 140.98,115.19 140.9,115.11 CONN7.14 ; v4(8.08,49.69) 8.12,49.65 v4(10.8,49.65)
SERIAL_RX: length 61.6
  Top w0.75: v1(163.5,80.6) JP2.3 162.5,79 163.8,77.7 172.7,77.7 175.2,80.2 175.2,96.9 173.7,98.4 v1(173.7,107.9) ; v1(163.6,85.3) 163.56,85.34 JP1.3 ; JP1.2 161.2,83.84 161.31,83.73 SERIAL1.4
  Bottom w0.75: U1.7 173.71,107.89 v1(173.7,107.9) ; v1(163.5,80.6) 163.9,81 163.9,85 v1(163.6,85.3)
SERIAL_TX: length 68.1
  Top w0.75: JP1.1 JP2.1 159.9,79.9 163.1,76.7 173.2,76.7 176.2,79.7 176.2,108.7 v1(177.9,110.4) ; JP2.2 161.2,82.4 161.26,82.46 SERIAL1.3
  Bottom w0.75: U1.6 174.92,110.4 v1(177.9,110.4)
SR_CLOCK: length 250.1
  Top w0.254: v4(153.01,99.27) 152.92,99.37 150.63,99.37 ; 152.4,104.1 153.46,103.04 v4(153.68,103.04) ; 152.4,104.1 153.29,104.99 v4(153.52,104.99) 153.85,105.32 153.85,110.57 150.83,113.58 v4(150.83,116.91) ; 152.4,104.1 150.63,102.33 150.63,99.37 ; v4(120.32,121.5) 118.19,121.5 v4(115.52,124.17) ; v4(107.8,38.9) 127.55,38.9 144.8,34.15 148.05,34.15 v4(148.8,34.9) ; 167.87,108.62 167.87,106.67 v4(167.8,106.6) ; v4(156.89,54.55) 151.72,54.55 150.14,56.13 v4(150.14,56.36) 150.14,56.47 149.12,57.49 149.12,58.58 150.6,60.06 150.6,72.99 150.77,73.15 150.77,74.76 v4(150.63,74.89) 150.63,99.37
  Bottom w0.254: v4(115.52,124.17) 112.53,124.17 U4.11 111.12,124.27 110.72,124.67 110.72,126.99 110.32,127.39 100.27,127.39 TP8.1 ; v4(120.32,121.5) 120.5,121.32 122.58,121.32 125.49,118.41 149.32,118.41 v4(150.83,116.91) ; 151.8,99.4 151.93,99.27 v4(153.01,99.27) ; v4(150.63,74.89) 152.66,74.89 U6.11 ; v4(167.8,106.6) 154.37,106.6 153.52,105.75 v4(153.52,104.99) ; v4(153.68,103.04) 153.91,102.81 U1.32 ; v4(107.8,38.9) 107.62,39.08 107.05,39.08 102.55,34.58 102.55,24.58 99.86,21.89 95.64,21.89 94.53,20.78 U8.11 ; v4(148.8,34.9) 149.37,35.47 149.37,52.71 149.36,52.72 149.36,53.74 150.14,54.52 v4(150.14,56.36) ; U7.11 156.95,54.49 v4(156.89,54.55)
